# Altium PCB MB1397.PcbDoc (part 6 of 11) (continued)
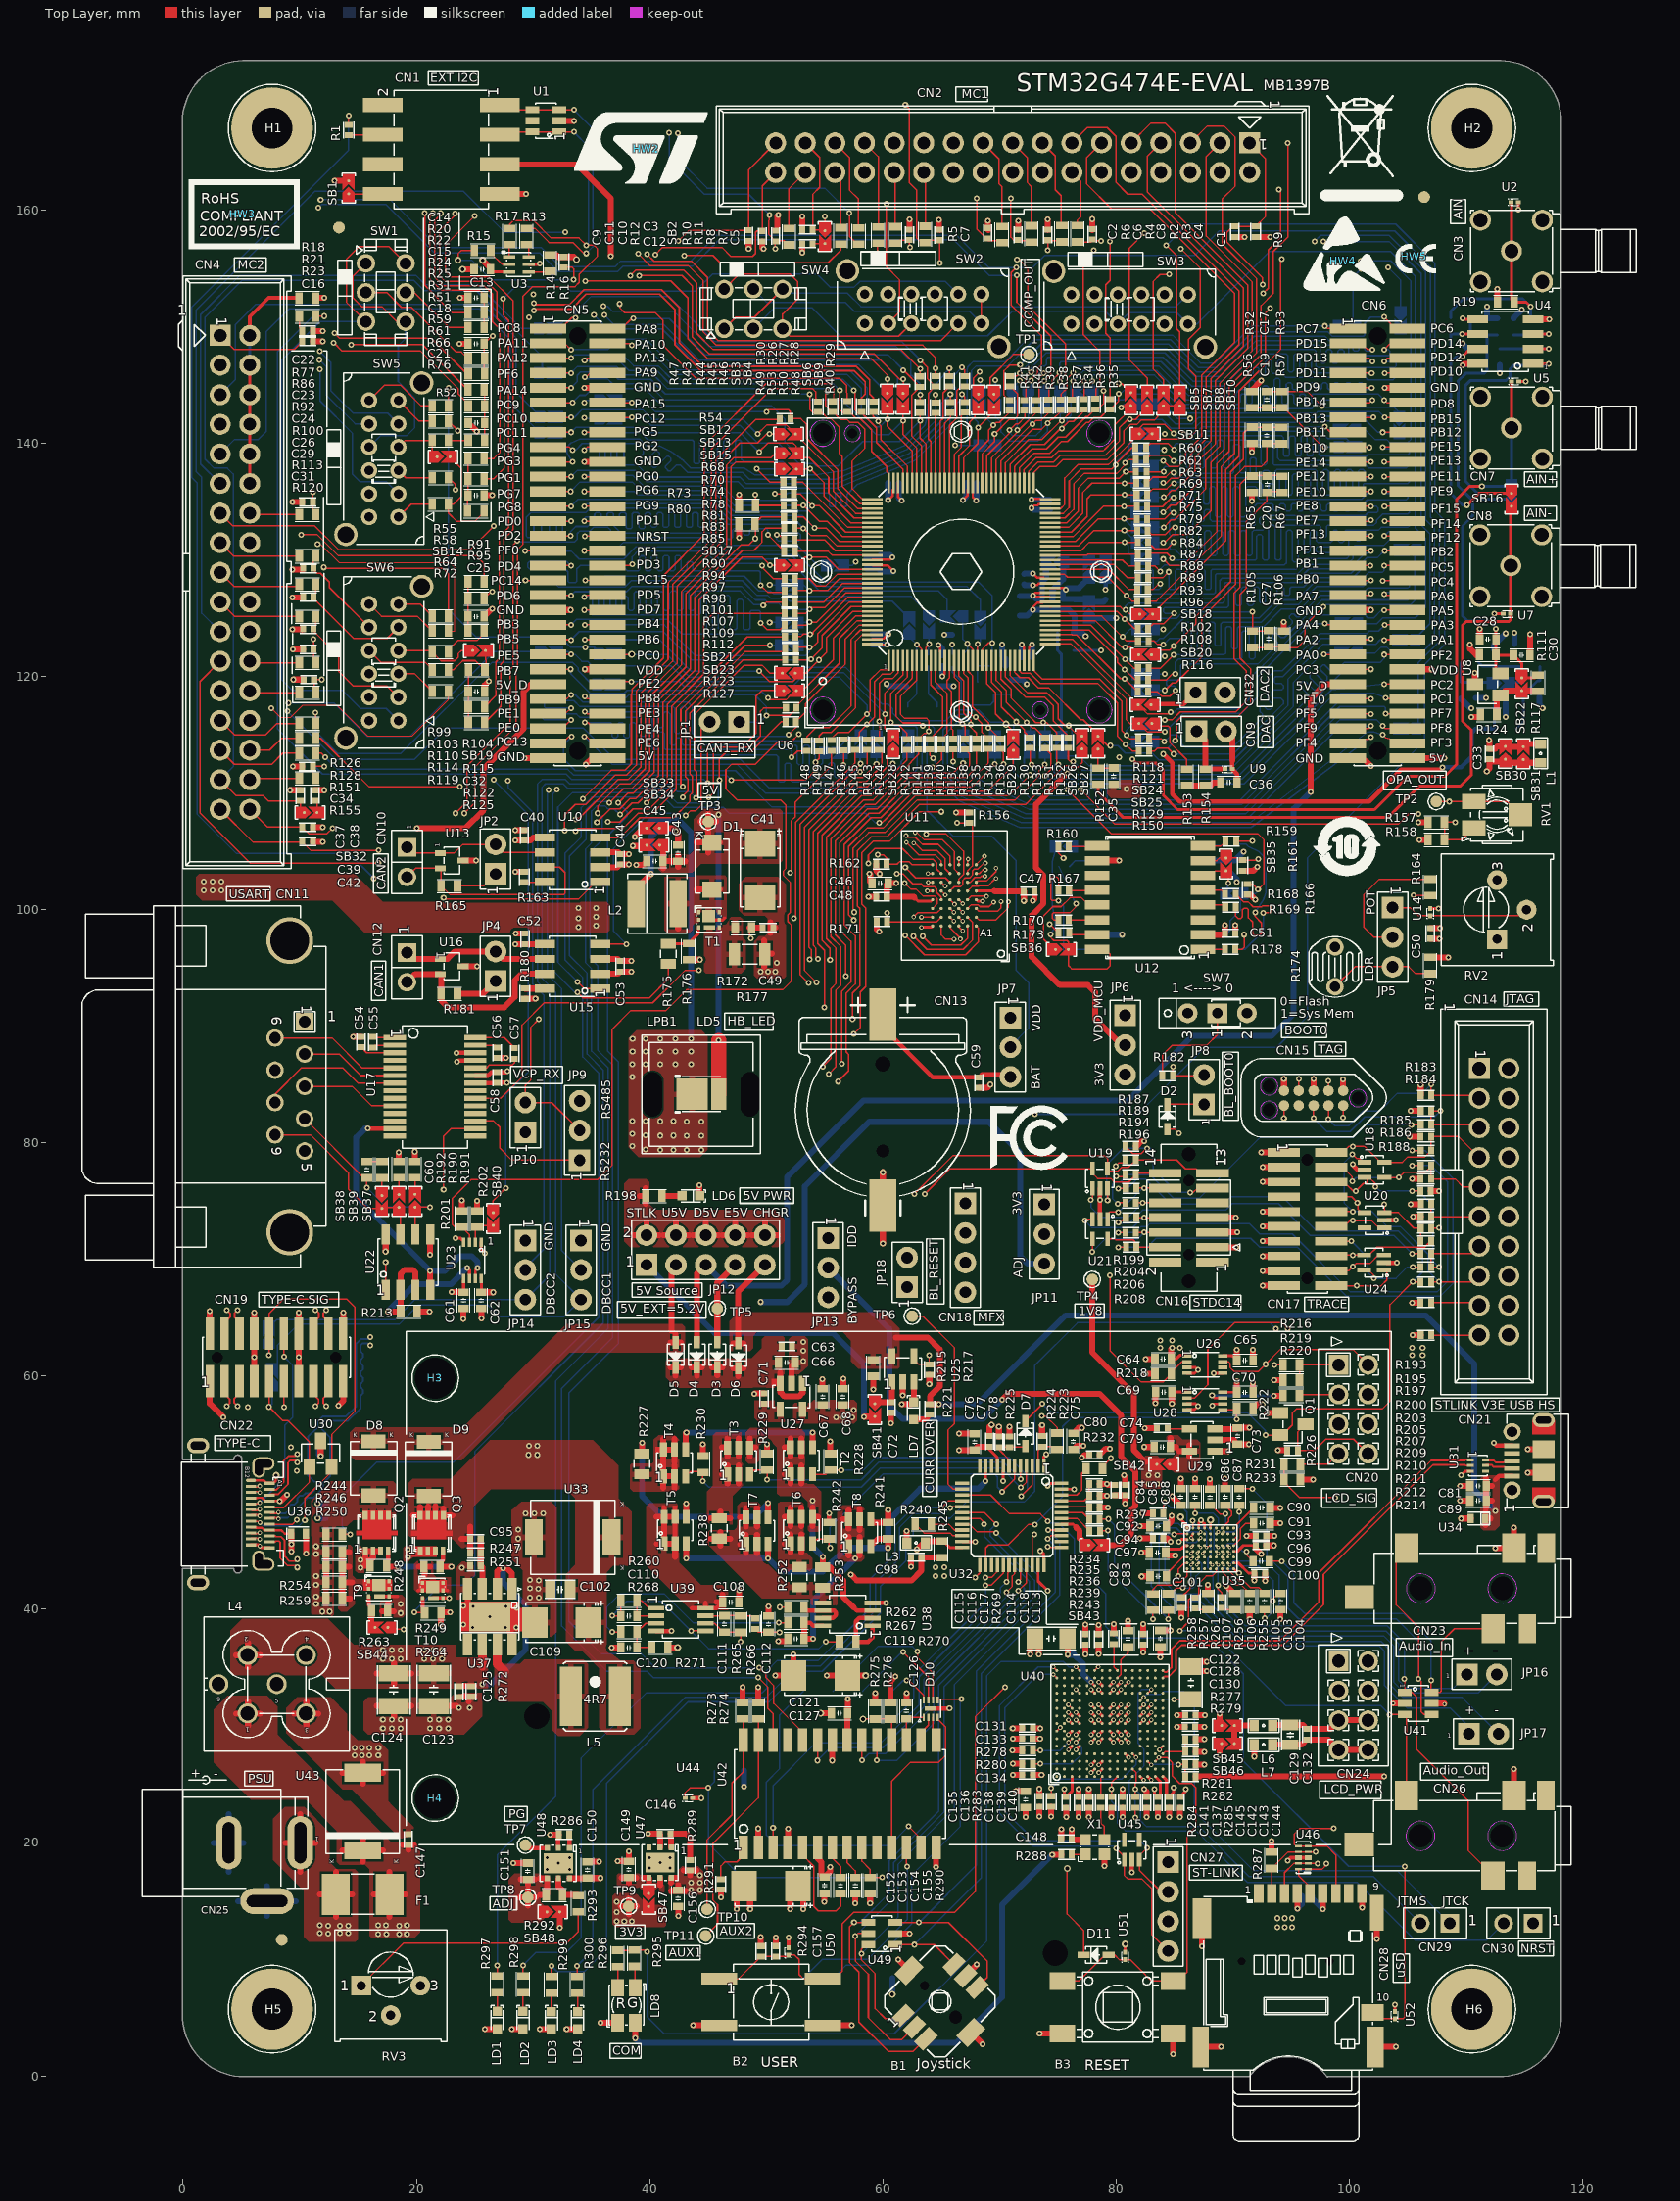
[diagram p0: Top Layer view]
## Nets (pads, with @x,y where several pads share a name; then routed paths per layer and width w, separated by ;. In a path a pad name is that pad's centre, name@x,y a point inside that pad or via, vN(x,y) a via of type N, cw(c..) or ccw(c..) an arc to the next point about the centre after c; other vN are vias at no path point) (continued)
  Bottom Layer w0.127: 71.971,119.692 71.971,119.698 ; v8@72.329,119.278 v8(72.329,119.334)
  Bottom Layer w0.508: v1(11.529,47.8) R323.1@12.225,47.8 ; v1(11.529,49.07) C185.1@12.225,49.07 ; U55.2@11.656,54.158 11.656,53.261 v1(11.783,53.134) ; v1(48.101,24.785) CN31.S1@48.101,26.165 ; C164.1@58.603,130.116 59.538,130.114 C163.2@59.817,130.392 60.617,130.391 v1(60.808,130.2) ; C173.1@59.083,123.616 v1(60.452,123.614) ; v1(60.322,119.339) 60.509,119.153 61.982,119.153 C183.1@62.009,119.126 ; v5(60.801,6.985) CN31.C5@60.801,8.365 ; C160.1@61.353,136.586 61.351,135.313 v1(61.592,135.075) ; v1(64.77,122.682) 65.1,122.352 C175.1@65.1,121.786 ; C182.1@64.798,119.151 v1(66.063,119.151) ; v1(65.278,123.571) C172.2@65.953,123.571 ; v1(67.993,135.075) 68.052,135.136 C161.1@68.053,136.566 ; v1(70.234,122.715) 70.234,122.062 C174.1@70.275,122.022 70.274,121.722 70.503,121.493 C177.1@70.503,120.866 ; C178.1@71.003,119.698 71.971,119.698 ; C176.1@71.889,121.638 v1(71.89,122.735) ; 71.971,119.692 v8(72.329,119.334) ; C165.1@72.108,127.869 72.166,127.81 v1(72.87,127.81) ; v1(72.743,134.414) 72.893,134.264 C162.1@74.323,134.266 ; U54.10@78.351,97.838 v1(80.49,97.838) ; C184.1@89.644,103.312 C184.1@89.645,103.31 90.335,102.619 v1(90.335,102.362) ; C186.2@96.815,15.415 96.815,15.179 v1(97.721,14.272)
  other v1: 31.214,17.701 33.119,17.701 39.977,17.828 41.755,17.828 32.167,18.222 40.891,18.275 31.214,18.717 33.119,18.717 39.977,18.717 41.755,18.717 17.117,29.766 17.879,29.766 18.641,29.766 21.181,29.766 21.943,29.766 22.705,29.766 17.117,30.528 17.879,30.528 18.641,30.528 21.181,30.528 21.943,30.528 22.705,30.528 23.641,31.555 24.551,31.555 24.838,38.439 28.558,38.439 24.039,38.689 26.289,39.37 18.641,39.672 28.614,40.12 24.846,40.224 27.686,40.258 24.039,40.29 18.641,40.434 29.718,41.004 30.477,40.988 30.452,41.745 29.718,41.783 30.48,42.466 29.718,42.517 23.915,43.561 28.714,45.296 28.714,46.058 28.714,46.82 29.349,48.217 30.111,48.217 30.873,48.217 5.56,57.325 53.185,61.262 53.185,62.151 53.185,62.913 49.502,94.663 50.137,94.663 50.772,94.663 50.899,95.425 29.639,150.772 30.046,152.728
GND_EXT_UNFILT: C147.2 CN25.2 CN25.3 L4.3 U43.2 | length 28.6
  Top Layer w0.508: 9.535,31.062 L4.3@10.564,31.062 ; 10.564,30.033 L4.3@10.564,31.062 ; 10.564,32.09 L4.3@10.564,31.062 ; 11.593,31.062 L4.3@10.564,31.062 ; 13.647,25.974 U43.2@15.397,25.974 ; 15.397,25.027 U43.2@15.397,25.974 ; 15.397,26.924 U43.2@15.397,25.974 ; 17.145,25.974 U43.2@15.397,25.974
  Bottom Layer w0.508: 2.621,19.975 CN25.3@3.9,19.977 ; 3.899,17.498 CN25.3@3.9,19.977 ; 3.899,22.454 CN25.3@3.9,19.977 ; 4.722,14.976 CN25.2@7.2,14.977 ; 5.179,19.975 CN25.3@3.9,19.977 ; 7.198,13.698 CN25.2@7.2,14.977 ; 7.198,16.253 CN25.2@7.2,14.977 ; 9.535,31.062 L4.3@10.564,31.062 ; 9.677,14.976 CN25.2@7.2,14.977 ; 10.564,30.033 L4.3@10.564,31.062 ; 10.564,32.09 L4.3@10.564,31.062 ; 11.593,31.062 L4.3@10.564,31.062
  other v1: 14.704,27.48 15.339,27.48 15.974,27.48 16.736,27.48 14.704,28.115 15.339,28.115 15.974,28.115 16.736,28.115
GNDDetect: CN16.11 R187.2 U19.3 U40.K13 | length 74.3
  Top Layer w0.127: U19.3@79.256,76.077 79.266,76.068 v1(79.266,75.054) ; U40.K13@80.755,33.453 v2(81.057,33.756) ; R187.2@80.797,79.708 81.44,79.068 82.141,79.068 82.598,79.525 v1(82.649,79.525) ; v1(86.332,75.74) 86.586,75.74 86.962,76.116 CN16.11@88.258,76.117
  L4_SIG w0.102: v1(79.266,75.054) 79.266,78.199 79.505,78.438 80.206,78.438 81.506,77.137 81.506,73.454 82.014,72.946 82.446,72.946 82.827,72.565 82.827,67.655 77.721,62.55 77.721,39.647 77.925,39.444 77.925,34.745 78.204,34.465 80.348,34.465 v2@81.058,33.757
  Bottom Layer w0.127: v1(79.266,75.054) v1@79.256,75.062 ; v1(86.332,75.74) 85.189,75.74 83.157,77.772 83.157,79.296 82.928,79.525 v1(82.649,79.525) 80.592,79.525 79.169,78.102 v1@79.169,75.207 ; v1@79.169,75.207 79.256,75.121 v1@79.256,75.062 ; v1@79.169,75.207 79.169,75.148 v1@79.256,75.062
I2C3_SCL: CN1.3 R17.1 R73.1 R74.2 R243.1 R258.2 U1.1 U1.6 | length 242.4
  Top Layer w0.127: v1(24.102,108.252) 24.991,109.141 24.991,112.189 28.547,115.745 28.547,120.541 28.674,120.668 28.674,130.858 29.106,131.29 29.106,152.55 29.972,153.416 33.609,153.416 33.96,153.767 33.96,154.457 35.489,155.986 35.489,156.683 35.215,156.957 v1(34.567,156.957) 33.945,157.579 31.547,157.579 30.046,159.08 28.324,159.08 27.991,158.747 R17.1@27.991,158.409 ; CN1.3@27.135,166.429 27.384,166.675 v1(33.5,166.675) ; v1(49.058,135.557) 49.058,134.668 49.08,134.645 R74.2@51.494,134.645 ; R243.1@78.604,46.738 v1(79.299,46.736) ; v1(83.142,39.164) R258.2@83.142,39.934
  L4_SIG w0.102: v1(24.102,108.252) 24.229,108.125 32.865,108.125 33.373,108.633 34.008,108.633 34.897,107.744 34.897,95.425 37.666,92.657 51.636,92.657 54.455,89.837 61.415,89.837 62.329,88.923 62.329,82.966 66.634,78.661 78.707,78.661 79.093,79.047 80.536,79.047 83.436,76.147 83.436,67.13 78.331,62.024 78.331,47.706 v1(79.299,46.736) ; v1(34.567,156.957) 34.776,157.166 40.848,157.166 41.628,156.385 41.628,143.05 49.058,135.621 v1(49.058,135.557)
  Bottom Layer w0.127: v1(33.5,166.675) 34.742,165.433 34.742,157.132 v1(34.567,156.957) ; v1(79.299,46.736) 79.299,43.302 83.142,39.459 v1(83.142,39.164)
I2C3_SDA: CN1.1 R13.1 R78.2 R80.1 R239.1 R257.2 U1.3 U1.4 | length 211.2
  Top Layer w0.127: CN1.1@27.135,168.969 27.526,168.575 v1(33.498,168.575) ; R13.1@29.439,158.409 30.145,158.409 31.366,157.187 33.404,157.187 34.282,156.309 v1@34.567,156.309 ; v1(35.469,107.49) 36.612,108.633 37.437,108.633 38.326,109.522 38.834,109.522 40.764,111.453 40.764,117.93 43.482,120.647 43.482,126.916 47.85,131.284 48.531,131.284 v1(49.058,131.811) 49.058,133.144 49.578,133.665 R78.2@51.51,133.666 ; R239.1@78.579,47.738 v1(79.334,47.737) ; v1(84.468,39.164) R257.2@84.468,39.934
  L4_SIG w0.102: v1(34.567,156.253) 35.156,156.842 40.739,156.842 41.247,156.334 41.247,142.999 48.359,135.887 48.359,135.176 49.058,134.478 v1(49.058,131.811) ; v1(35.469,107.49) 36.294,106.665 36.294,94.536 37.843,92.987 51.813,92.987 54.62,90.18 61.625,90.18 62.659,89.146 62.659,83.067 66.76,78.966 78.58,78.966 78.966,79.352 80.815,79.352 83.767,76.401 83.767,67.028 78.636,61.897 78.636,48.435 v1(79.334,47.737)
  Bottom Layer w0.127: v1(33.498,168.575) 35.12,166.956 35.12,156.807 v1(34.567,156.253) ; v1(79.334,47.737) 79.855,47.216 79.855,43.777 v1(84.468,39.164)
I2C3_SMBA: R15.1 R16.1 R70.2 | length 52.9
  Top Layer w0.127: v5(23.571,155.679) 23.571,156.23 23.849,156.507 R15.1@24.979,156.507 ; R16.1@32.639,155.06 33.358,155.06 33.477,154.94 v1(33.477,154) ; v1(50.724,135.636) R70.2@51.469,135.636
  L4_SIG w0.102: v1(33.477,154) 33.147,154.33 33.147,156.733 33.882,157.468 41.231,157.468 42.136,156.563 42.136,143.177 48.994,136.319 50.038,136.319 v1(50.724,135.636)
  Bottom Layer w0.127: v5(23.571,155.679) 24.738,155.679 26.416,154 v1(33.477,154)
IDD_MEAS: C112.2 R266.2 U32.25 | length 22.2
  Top Layer w0.127: R266.2@49.054,38.314 49.332,38.034 v1(51.13,38.034) ; v1(67.917,42.72) 68.306,43.109 U32.25@68.306,43.79
  L4_SIG w0.102: v1(51.13,38.034) 52.387,39.291 64.488,39.291 v1(67.917,42.72)
JTAG_HOST_NRST: CN14.15 CN15.10 CN17.10 R211.1 U18.1 | length 28.5
  Top Layer w0.127: CN17.10@98.428,74.093 v1(100.302,74.092) ; v1(99.464,82.141) CN15.10@99.464,83.193 ; v1(100.261,79.002) 100.602,78.661 100.805,78.661 101.14,78.326 U18.1@101.542,78.326 ; R211.1@106.991,68.072 v1(107.668,68.072) 110.617,68.072 CN14.15@111.125,68.58
  L4_SIG w0.102: v1(99.464,82.141) 99.464,79.799 v1(100.261,79.002)
  Bottom Layer w0.127: v1(100.261,79.002) 99.54,78.28 99.54,74.854 v1(100.302,74.092) 101.951,74.092 103.223,72.819 104.366,72.819 106.728,70.457 106.728,69.012 v1(107.668,68.072)
JTAG_TCK: CN14.9 CN15.4 CN17.4 R193.1 R195.2 U18.4 | length 28.5
  Top Layer w0.127: CN15.4@95.654,84.463 v1(95.654,85.468) ; CN17.4@98.428,77.903 99.411,77.902 100.239,77.074 v1(100.239,76.693) ; U18.4@103.241,77.026 104.224,77.026 v1(104.239,77.01) 104.696,77.467 106.512,77.467 R193.1@106.99,77.945 ; R193.1@106.99,78.026 R193.1@107.003,78.039 107.003,77.958 R193.1@106.99,77.945 ; CN14.9@111.125,76.2 109.748,76.2 109.052,76.896 R195.2@106.991,76.898 R193.1@106.99,77.945
  L4_SIG w0.102: v1(95.654,85.468) 95.654,80.622 99.583,76.693 v1(100.239,76.693)
  Bottom Layer w0.127: v1(100.239,76.693) 100.556,77.01 v1(104.239,77.01)
JTAG_TDI: CN14.5 CN15.8 CN17.8 R184.1 R185.1 U20.4 | length 33.1
  Top Layer w0.127: v1(96.924,82.09) CN15.8@96.924,83.193 ; CN17.8@98.428,75.363 100.173,75.362 v1(100.683,74.851) 100.747,74.788 100.747,74.28 101.018,74.008 U20.4@101.544,74.008 ; v1(107.795,82.725) R184.1@107.003,82.725 106.975,82.725 107.003,82.697 R185.1@107.003,81.534 110.871,81.534 CN14.5@111.125,81.28
  L4_SIG w0.102: v1(96.924,82.09) 96.924,79.987 99.647,77.264 100.556,77.264 101.064,76.756 101.064,75.232 v1(100.683,74.851)
  Bottom Layer w0.127: v1(96.924,82.09) 98.067,80.947 100.048,80.947 101.318,82.217 107.287,82.217 v1(107.795,82.725)
JTAG_TDO: CN14.13 CN15.6 CN17.6 R197.1 R209.1 R210.2 U18.3 | length 35.1
  Top Layer w0.127: v1(94.384,82.09) CN15.6@94.384,83.193 ; CN17.6@98.428,76.633 98.684,76.375 99.794,76.375 100.302,75.867 v1(100.556,75.867) 101.191,76.502 101.409,76.502 101.542,76.634 101.542,77.026 101.684,77.026 102.207,76.502 v1(102.207,76.248) ; v1(105.382,75.867) R197.1@106.075,75.867 ; v1(107.668,69.342) R210.2@106.991,69.342 R209.1@106.991,70.485 110.49,70.485 CN14.13@111.125,71.12
  L4_SIG w0.102: v1(94.384,82.09) 94.384,80.747 95.273,79.858 95.273,77.854 97.259,75.867 v1(100.556,75.867)
  Bottom Layer w0.127: v1(102.207,76.248) 102.588,75.867 v1(105.382,75.867) 105.89,75.867 107.135,74.623 107.135,69.875 v1(107.668,69.342)
JTAG_TMS: CN14.7 CN15.2 CN17.2 R186.1 R188.1 U18.5 | length 23.3
  Top Layer w0.127: CN15.2@98.194,84.463 v1(98.194,85.316) ; CN17.2@98.428,79.173 99.416,79.172 99.921,79.677 v1(100.302,79.677) 101.318,79.677 102.669,78.326 104.539,78.326 105.001,78.788 106.454,78.788 R188.1@107.003,79.339 106.99,79.35 R186.1@106.991,80.518 109.347,80.518 CN14.7@111.125,78.74
  L4_SIG w0.102: v1(98.194,85.316) 99.413,84.097 99.413,83.36 100.429,82.344 100.429,79.804 v1(100.302,79.677)
JTAG_TRST: CN14.3 CN15.9 R183.1 R205.1 R207.2 U20.3 | length 32.3
  Top Layer w0.127: v1(98.194,82.014) CN15.9@98.194,83.193 ; v1(102.989,74.704) 102.989,74.262 103.243,74.008 104.193,74.008 105.512,72.69 R205.1@106.103,72.69 106.103,71.6 R207.2@106.091,71.59 ; v1(107.003,85.011) R183.1@107.003,84.074 110.871,84.074 CN14.3@111.125,83.82
  L4_SIG w0.102: v1(98.194,82.014) 98.194,79.525 100.073,77.645 100.937,77.645 101.572,77.01 101.572,75.486 102.354,74.704 v1(102.989,74.704)
  Bottom Layer w0.127: v1(98.194,82.014) 98.753,81.455 99.921,81.455 101.191,82.725 102.588,82.725 104.112,84.249 106.241,84.249 v1(107.003,85.011)
JTCK-SWCLK: CN29.1 R47.1 R193.2 R206.2 U40.M11 | length 266.7
  Top Layer w0.127: v1(32.7,106.766) 32.7,108.087 33.627,109.014 34.516,109.014 37.015,111.514 37.986,111.514 38.859,112.387 38.859,118.72 41.577,121.437 41.577,128.013 45.311,131.747 45.311,139.494 50.493,144.676 53.947,144.676 54.226,144.396 54.226,143.863 54.587,143.502 R47.1@54.684,143.502 ; v1(80.162,72.286) R206.2@80.8,72.286 ; U40.M11@82.055,32.154 v2(82.357,32.456) ; v1(105.382,78.039) R193.2@106.091,78.039
  L4_SIG w0.102: v1(32.7,106.766) 32.586,106.652 32.586,95.705 36.853,91.437 50.696,91.437 54.328,87.805 56.614,87.805 60.584,83.835 60.584,82.555 65.999,77.137 75.054,77.137 76.162,76.03 76.162,73.749 77.092,72.819 79.629,72.819 v1(80.162,72.286) 80.617,71.831 80.617,68.146 75.283,62.812 75.283,37.64 74.14,36.497 74.14,31.392 74.648,30.884 74.648,28.141 75.334,27.455 80.084,27.455 80.49,27.861 81.379,27.861 81.887,28.369 81.887,31.984 v2@82.359,32.456
  Bottom Layer w0.127: v1(80.162,72.286) 81.608,72.286 82.141,72.819 82.649,72.819 82.903,73.073 91.412,73.073 92.301,72.184 95.095,72.184 100.073,67.206 107.516,67.206 108.43,68.12 108.43,76.629 107.02,78.039 v1(105.382,78.039) ; v2@82.359,32.456 82.591,32.687 83.792,32.687 84.046,32.941 85.824,32.941 86.713,32.052 86.713,22.654 91.793,17.574 104.099,17.574 CN29.1@108.611,13.066
JTDI: R54.1 R185.2 R199.2 | length 148.7
  Top Layer w0.127: v1(33.627,107.744) 33.876,107.744 37.264,111.133 38.143,111.133 39.24,112.23 39.24,118.562 41.958,121.28 41.958,127.856 45.692,131.59 45.692,138.605 49.121,142.034 51.109,142.034 R54.1@51.16,142.085 ; v1(80.147,74.762) 80.231,74.846 R199.2@80.782,74.846 ; v1(105.303,81.534) R185.2@106.103,81.534
  L4_SIG w0.102: v1(33.627,107.744) 34.135,107.236 34.135,106.347 33.373,105.585 33.373,95.933 37.259,92.047 51.224,92.047 54.679,88.593 60.018,88.593 61.336,87.274 61.336,82.665 66.254,77.747 76.451,77.747 76.807,77.391 76.807,74.878 77.495,74.191 79.576,74.191 v1(80.147,74.762)
  Bottom Layer w0.127: v1(80.147,74.762) 79.677,75.232 79.677,76.451 79.855,76.629 80.363,76.629 80.998,77.264 82.903,77.264 84.935,75.232 87.094,75.232 92.301,80.439 100.302,80.439 101.397,81.534 v1(105.303,81.534)
JTDO-SWO: R107.2 R204.2 R209.2 U40.D12 | length 172
  Top Layer w0.127: v1(33.627,106.728) 33.83,106.931 37.686,106.931 39.007,108.252 40.231,108.252 42.288,110.31 42.288,117.297 48.357,123.365 51.592,123.365 R107.2@51.595,123.393 ; v2(76.551,33.105) U40.D12@76.853,32.803 ; v1(80.19,73.175) 80.338,73.175 80.739,73.576 R204.2@80.823,73.577 ; v1(105.382,70.485) R209.2@106.091,70.485
  L4_SIG w0.102: v1(33.627,106.728) 32.967,106.068 32.967,95.832 37.056,91.742 51.026,91.742 54.582,88.186 56.741,88.186 60.932,83.995 60.932,82.638 66.128,77.442 76.121,77.442 76.502,77.061 76.502,74.752 77.368,73.886 79.479,73.886 v1(80.19,73.175) 80.998,72.367 80.998,67.917 75.664,62.583 75.664,37.513 75.029,36.878 75.029,34.628 v2@76.551,33.106
  Bottom Layer w0.127: v1(80.19,73.175) 80.236,73.175 80.3,73.111 81.163,73.111 82.268,74.216 89.38,74.216 89.939,74.775 93.927,74.775 96.644,72.057 103.81,72.057 v1(105.382,70.485)
JTMS-SWDIO: CN29.2 R44.1 R188.2 R208.2 R285.2 U40.L2 | length 297.9
  Top Layer w0.127: v1(37.424,151.928) 37.424,151.623 37.869,151.178 40.485,151.178 41.12,150.543 41.12,148.392 43.972,145.539 56.284,145.539 56.868,144.955 56.868,144.348 56.946,144.27 R44.1@56.946,143.576 ; v1(80.165,71.029) 80.173,71.036 R208.2@80.83,71.036 ; U40.L2@81.405,26.303 81.709,25.997 81.709,25.143 81.636,25.07 v1(81.636,24.559) R285.2@81.636,23.899 ; v1(105.382,79.337) R188.2@106.103,79.339
  L4_SIG w0.102: v1(37.424,151.928) 36.446,152.905 32.941,152.905 31.925,151.889 31.925,150.569 29.634,148.278 28.819,148.278 22.172,141.628 22.172,135.075 22.832,134.414 22.832,102.41 23.34,101.902 23.34,92.25 24.458,91.133 50.366,91.133 54.049,87.45 56.462,87.45 60.279,83.632 60.279,82.681 60.258,82.66 60.258,82.414 65.865,76.807 74.902,76.807 75.857,75.852 75.857,73.622 77.041,72.438 78.755,72.438 v1(80.165,71.029) 80.165,68.303 74.902,63.04 74.902,37.894 73.81,36.802 73.81,31.163 74.343,30.63 74.343,28.014 75.207,27.15 79.045,27.15 v1(81.636,24.559)
  Bottom Layer w0.127: v1(80.165,71.029) 82.636,71.029 83.411,71.803 91.539,71.803 92.301,71.041 95.552,71.041 99.769,66.825 107.77,66.825 108.862,67.917 108.862,76.959 106.484,79.337 v1(105.382,79.337) ; v1(81.636,24.559) 82.08,24.115 82.08,21.877 82.573,21.384 87.094,21.384 91.412,17.066 102.067,17.066 CN29.2@106.071,13.066
JTRST: R109.1 R205.2 | length 106.3
  Top Layer w0.127: v1(42.822,109.598) 42.822,109.705 43.279,110.162 43.279,111.173 43.05,111.402 43.05,116.982 48.163,122.095 51.313,122.095 R109.1@51.628,122.411 ; R205.2@107.003,72.69 v1(107.668,72.69)
  L4_SIG w0.102: v1(42.822,109.598) 43.304,109.116 47.267,109.116 51.255,105.128 51.255,101.47 55.344,97.381 57.833,97.381 59.337,95.877 63.644,95.877 68.158,91.363 68.158,84.897 68.887,84.168 84.381,84.168 86.738,81.811 89.248,81.811 90.442,80.617 93.266,80.617 94.484,79.399 94.484,77.55 99.344,72.69 v1(107.668,72.69)
LCD_CS: R49.1 R216.1 | length 196.6
  Top Layer w0.127: R49.1@63.19,143.503 v1(63.19,144.145) ; v1(93.571,60.957) 94.31,60.957 R216.1@94.311,60.96
  L4_SIG w0.102: v1(36.027,151.724) 35.608,152.143 33.271,152.143 32.586,151.458 32.586,150.241 29.916,147.571 29.207,147.571 22.908,141.272 22.908,135.456 23.543,134.821 23.543,111.478 25.931,109.09 32.459,109.09 33.602,110.233 40.587,110.233 41.73,109.09 41.73,95.146 42.644,94.231 51.407,94.231 51.661,94.485 55.979,94.485 56.36,94.866 56.919,94.866 58.367,93.419 62.888,93.419 65.656,90.65 65.656,84.275 68.222,81.709 77.038,81.709 77.668,82.339 83.34,82.339 84.833,80.846 84.833,80.515 85.087,80.261 87.704,80.261 88.339,79.626 88.339,62.431 89.253,61.516 93.012,61.516 v1(93.571,60.957)
  Bottom Layer w0.127: v1(36.027,151.724) 36.383,151.724 36.827,151.28 42.085,151.28 45.108,148.257 61.135,148.257 62.405,146.987 62.405,145.793 62.481,145.793 63.19,145.085 v1(63.19,144.145)
LED1: R81.2 R297.2 | length 140
  Top Layer w0.127: R297.2@26.924,8.543 v1(26.924,9.474) ; v1(37.45,108.138) 37.48,108.138 38.484,109.141 38.992,109.141 41.145,111.295 41.145,117.772 43.863,120.49 43.863,126.762 43.94,126.762 47.988,130.81 48.946,130.81 49.629,131.493 49.629,132.382 49.936,132.69 R81.2@51.522,132.69
  Bottom Layer w0.127: v1(26.924,9.474) 26.924,18.923 31.925,23.924 31.925,59.56 36.421,64.056 36.421,86.459 35.024,87.856 35.024,94.917 34.516,95.425 34.516,105.204 35.024,105.712 35.024,108.445 35.441,108.862 36.192,108.862 36.421,108.633 36.942,108.633 37.437,108.138 v1(37.45,108.138)
LED3: R96.2 R299.2 | length 247
  Top Layer w0.127: v1(31.565,9.431) 31.565,8.499 R299.2@31.567,8.5 ; R96.2@82.712,126.451 82.713,126.451 83.449,126.451 88.999,132.001 88.999,137.97 90.142,139.113 90.142,144.722 92.809,147.389 92.809,151.178 v1(93.19,151.559)
  L4_SIG w0.102: v1(93.19,151.559) 99.159,151.559 99.286,151.432 103.35,151.432 104.112,150.67 104.112,134.414 105.636,132.89 105.636,122.222 105.255,121.841 105.255,117.777 105.636,117.396 105.636,109.522 104.772,108.659 104.772,101.021 105.664,100.129 105.664,94.508 108.252,91.92 108.252,67.688 107.541,66.977 96.619,66.977 v1(93.698,64.056)
  Bottom Layer w0.127: v1(31.565,9.431) 32.057,8.938 34.389,8.938 36.294,10.843 36.294,25.067 43.279,32.052 50.239,32.052 52.857,34.671 54.788,34.671 59.789,39.672 59.789,41.958 61.948,44.117 61.948,45.768 62.583,46.403 62.583,47.419 62.964,47.8 65.758,47.8 67.155,49.197 72.108,49.197 72.997,50.086 72.997,60.881 76.68,64.564 93.19,64.564 v1(93.698,64.056)
LED_STLK: R295.2 R296.2 U40.D15 | length 72.7
  Top Layer w0.127: R296.2@37.244,10.761 38.669,10.759 R295.2@38.685,10.777 39.639,10.775 v1(39.774,10.64) ; v2(76.551,35.055) U40.D15@76.853,34.753
  Bottom Layer w0.127: v1(39.774,10.64) 39.774,5.077 41.247,3.604 60.955,3.604 68.91,11.56 68.91,34.315 70.101,35.507 75.486,35.507 75.938,35.055 v2(76.551,35.055)
Loop: TP6.1 U32.14 | length 18.1
  Top Layer w0.127: TP6.1@62.503,65.125 63.421,65.123 66.139,62.405 66.139,55.928 65.568,55.357 65.568,50.737 66.012,50.292 U32.14@66.807,50.292
MC1_Ain: R64.2 SB113.1 | length 93.4
  Top Layer w0.127: R64.2@22.751,137.017 23.34,136.426 v1(23.34,135.989) ; v1(57.49,99.096) 57.048,99.538 57.048,105.399 58.632,106.982 60.006,106.982 60.579,107.556 62.672,109.649 62.68,109.649 62.807,109.776 70.838,109.776 v1(72.616,111.554)
  L4_SIG w0.102: v1(23.34,135.989) 23.873,135.456 23.873,111.605 26.083,109.395 32.332,109.395 33.475,110.538 41.73,110.538 42.238,110.03 47.826,110.03 56.487,101.369 56.487,100.099 v1(57.49,99.096)
  Bottom Layer w0.127: v1(72.616,111.554) 72.108,112.062 72.108,113.088 SB113.1@72.616,113.596
MC1_Bin: R55.2 SB114.1 | length 97.4
  Top Layer w0.127: R55.2@22.751,141.875 v1(23.574,141.049) ; v1(57.528,99.769) 57.528,99.941 57.427,100.043 57.427,105.238 58.791,106.601 60.17,106.601 62.964,109.395 71.346,109.395 73.378,111.427 73.378,111.91 v1(73.886,112.418)
  L4_SIG w0.102: v1(23.574,141.049) 24.254,140.371 24.254,111.656 26.21,109.7 32.205,109.7 33.424,110.919 35.507,110.919 35.938,111.351 43.609,111.351 44.625,110.335 47.953,110.335 56.817,101.47 56.817,100.48 v1(57.528,99.769)
  Bottom Layer w0.127: v1(73.886,112.418) SB114.1@73.886,113.594
MC1_BusVoltage: C4.1 R3.2 SB115.1 | length 114.8
  Top Layer w0.127: R3.2@76.68,157.208 77.826,157.208 77.95,157.333 v1(78.712,157.333) ; v1(76.934,110.284) 79.903,107.315 104.191,107.315 105.052,108.176 v1(105.915,108.176)
  L4_SIG w0.102: v1(78.712,157.333) 80.625,155.42 93.114,155.42 93.647,154.887 97.559,154.887 99.946,152.499 104.005,152.499 105.128,151.376 105.128,135.049 106.779,133.398 106.779,121.714 106.271,121.206 106.271,118.412 106.779,117.904 106.779,109.04 v1(105.915,108.176)
  Bottom Layer w0.127: SB115.1@71.196,113.636 71.196,111.831 73.251,109.776 76.426,109.776 v1(76.934,110.284)
MC1_Cin: R52.2 SB99.1 | length 35.3
  Top Layer w0.127: R52.2@22.751,143.179 v1(22.751,144.732)
  Bottom Layer w0.127: v1(22.751,144.732) 22.751,125.733 25.118,123.365 32.357,123.365 33.246,122.476 v1(34.465,122.476) 35.314,122.476 SB99.1@35.898,121.895
MC1_CurrentA+: C8.2 R2.1 SW5.2 | length 92.2
  Top Layer w0.127: v1(74.14,156.512) 74.14,157.333 75.159,157.333 R2.1@75.283,157.208
  L4_SIG w0.102: v1(11.732,146.301) 13.409,147.978 13.409,156.461 15.542,158.595 22.883,158.595 24.788,160.5 30.198,160.5 30.782,161.084 44.676,161.084 47.013,158.747 49.096,158.747 49.807,158.036 67.917,158.036 68.273,157.681 72.974,157.681 v1(74.14,156.512)
  Bottom Layer w0.127: v1(11.732,146.301) 11.732,143.609 14.526,140.815 14.526,137.31 15.161,136.675 17.424,136.675 SW5.2@18.45,135.65
MC1_CurrentB+: C6.2 R4.1 SW5.5 | length 88.2
  Top Layer w0.127: v1(70.965,160.957) 70.965,157.655 71.288,157.333 72.616,157.333 R4.1@72.726,157.224
  L4_SIG w0.102: v1(11.707,147.876) 11.326,148.257 11.326,155.699 19.022,163.396 46.053,163.396 48.39,161.059 67.18,161.059 67.79,160.449 70.457,160.449 v1(70.965,160.957)
  Bottom Layer w0.127: v1(11.707,147.876) 12.672,146.911 12.672,144.473 14.577,142.568 17.531,142.568 SW5.5@18.45,141.65
MC1_CurrentC+: C2.2 R6.1 SW5.8 | length 84.4
  Top Layer w0.127: v1(68.044,160.957) 68.044,158.346 69.06,157.33 70.079,157.33 R6.1@70.203,157.208
  L4_SIG w0.102: v1(11.681,147.14) 10.97,147.851 10.97,155.801 19.733,164.564 45.387,164.564 48.588,161.364 67.638,161.364 v1(68.044,160.957)
  Bottom Layer w0.127: v1(11.681,147.14) 12.266,146.555 12.266,144.117 14.735,141.648 SW5.8@15.951,141.648
MC1_DissipativeBrake: CN2.23 SB97.1 | length 128.8
  L4_SIG w0.102: v1(9.014,117.701) 8.252,118.463 8.252,155.75 22.121,169.619 62.558,169.619 63.5,168.676 CN2.23@63.5,165.735
  Bottom Layer w0.127: v1(9.014,117.701) 12.926,117.701 15.796,114.831 19.403,114.831 26.695,122.123 SB97.1@30.875,122.125
MC1_EnA: C3.2 CN2.31 SB2.1 SB98.1 | length 105.4
  Top Layer w0.127: CN2.31@53.34,165.735 54.582,164.49 54.582,161.922 53.978,161.318 C3.2@53.977,158.287 54.938,158.285 SB2.1@55.027,158.198 v1(55.027,159.433)
  L4_SIG w0.102: v1(55.027,159.433) 55.179,159.281 60.551,159.281 61.288,160.017 66.901,160.017 67.409,159.509 71.117,159.509 72.057,160.449 93.825,160.449 v1(97,157.274)
  Bottom Layer w0.127: v1(97,157.274) 97.533,157.808 103.401,157.808 106.525,154.683 106.525,133.424 107.287,132.662 107.287,123.111 106.271,122.095 103.604,122.095 103.223,122.476 102.69,122.476 102.184,121.971 SB98.1@100.421,121.971 SB98.1@100.421,121.968
MC1_EnB: C9.2 CN2.33 SB89.1 | length 51.1
  Top Layer w0.127: v1(42.466,157.325) 43.373,158.232 48.486,158.232 C9.2@48.486,158.235 48.486,163.421 CN2.33@50.8,165.735
  L4_SIG w0.102: v1(42.466,157.325) 43.584,156.207 43.584,149.121 48.257,144.447 49.883,144.447 51.915,142.415 51.915,129.461 v1(50.292,127.838)
  Bottom Layer w0.127: v1(50.292,127.838) SB89.1@51.497,127.838
MC1_EnIndex: C11.2 CN2.34 SB62.1 SB92.1 | length 65
  Top Layer w0.127: v1(40.485,156.157) 41.095,156.766 46.2,156.766 46.962,156.004 48.821,156.004 49.075,156.258 49.075,158.062 49.195,158.181 C11.2@49.654,158.181 49.654,162.049 CN2.34@50.8,163.195
  L4_SIG w0.102: v1(40.485,156.157) 40.866,155.776 40.866,147.114 37.579,143.828 34.755,143.828 v1(34.389,143.462) 34.389,143.05 35.786,141.653 39.748,141.653 42.441,138.961 42.441,132.458 v1(50.289,124.612)
  Bottom Layer w0.127: v1(34.389,143.462) 34.564,143.637 SB62.1@35.949,143.637 ; v1(50.289,124.612) SB92.1@51.494,124.612
MC1_ICL_SHUTOUT: CN2.21 SB109.1 | length 165.4
  L4_SIG w0.102: v1(8.938,116.99) 7.948,117.98 7.948,155.877 21.994,169.923 62.687,169.923 66.04,166.573 CN2.21@66.04,165.735
  Bottom Layer w0.127: v1(8.938,116.99) 13.053,112.875 19.835,112.875 22.527,115.567 34.313,115.567 37.005,112.875 47.8,112.875 50.239,110.437 59.56,110.437 61.567,112.443 61.567,112.697 62.202,113.332 SB109.1@62.202,113.721
MC1_MC2_PFC_Ind: C7.2 C29.2 R5.2 R113.2 SB55.1 | length 129.8
  Top Layer w0.127: v1(11.184,123.187) 11.184,121.331 R113.2@11.36,121.158 ; v1(61.923,168.984) 62.253,168.653 62.253,162.329 62.888,161.694 62.888,157.579 63.282,157.185 R5.2@63.634,157.187 ; R5.2@63.634,157.187 63.833,157.386 64.816,157.386 64.869,157.333 v1(64.869,155.445)
  L4_SIG w0.102: v1(11.184,123.187) 9.878,124.493 9.878,129.588 9.243,130.223 9.243,134.164 9.878,134.799 9.878,156.004 19.428,165.555 44.549,165.555 48.257,169.263 61.643,169.263 v1(61.923,168.984) ; v1(64.869,155.445) 65.377,154.937 65.377,152.067 66.139,151.305 70.152,151.305 74.724,146.733 77.061,146.733 77.95,145.844 v1(77.95,145.311)
  Bottom Layer w0.127: SB55.1@77.823,144.447 77.95,144.574 v1(77.95,145.311)
MC1_MC2_PFC_SD: R10.2 R128.2 SB17.1 | length 106.1
  Top Layer w0.127: R128.2@11.36,114.681 11.783,114.681 15.926,110.538 v1(23.721,110.538) ; v1(39.723,109.141) 41.526,110.945 41.526,117.612 44.244,120.33 44.244,126.531 47.937,130.223 49.629,130.223 50.317,129.535 v1(50.317,129.515) SB17.1@51.493,129.515 ; v1(42.949,156.08) 45.413,156.08 46.048,155.445 55.293,155.445 56.36,156.512 R10.2@56.36,156.954
  L4_SIG w0.102: v1(23.721,110.538) 25.474,108.786 32.611,108.786 33.754,109.929 38.936,109.929 v1(39.723,109.141) ; v1(42.949,156.08) 43.152,155.877 43.152,148.968 48.308,143.812 49.883,143.812 51.61,142.085 51.61,130.807 v1(50.317,129.515)
MC1_MC2_PFC_Vac: C10.2 C34.2 R12.2 R155.2 SB56.1 | length 137.2
  Top Layer w0.127: R155.2@11.36,111.252 11.118,111.493 C34.2@11.118,112.268 v1(12.098,112.268) ; v1(50.264,159.56) 50.264,159.131 50.188,159.055 50.188,157.914 50.264,157.838 C10.2@50.772,157.333 ; v1(50.772,156.639) C10.2@50.772,157.333 ; R12.2@51.915,156.954 51.915,156.957 51.539,157.333 C10.2@50.772,157.333 ; v1(71.498,155.725) 71.676,155.725 72.431,154.97 72.431,151.745 75.664,148.511 75.664,145.926 75.184,145.445 v1(75.184,145.285)
  L4_SIG w0.102: v1(12.098,112.268) 9.675,114.691 9.675,117.853 8.583,118.946 8.583,155.598 19.2,166.215 41.272,166.215 v1(41.679,166.621) ; v1(50.772,156.639) 50.899,156.766 59.789,156.766 60.754,155.801 63.523,155.801 64.234,156.512 66.825,156.512 67.612,155.725 v1(71.498,155.725)
  Bottom Layer w0.127: v1(41.679,166.621) 41.679,164.335 44.676,161.338 48.486,161.338 v1(50.264,159.56) ; SB56.1@75.183,144.223 75.184,144.224 v1(75.184,145.285)